# KiCad board default.kicad_pcb (continued)
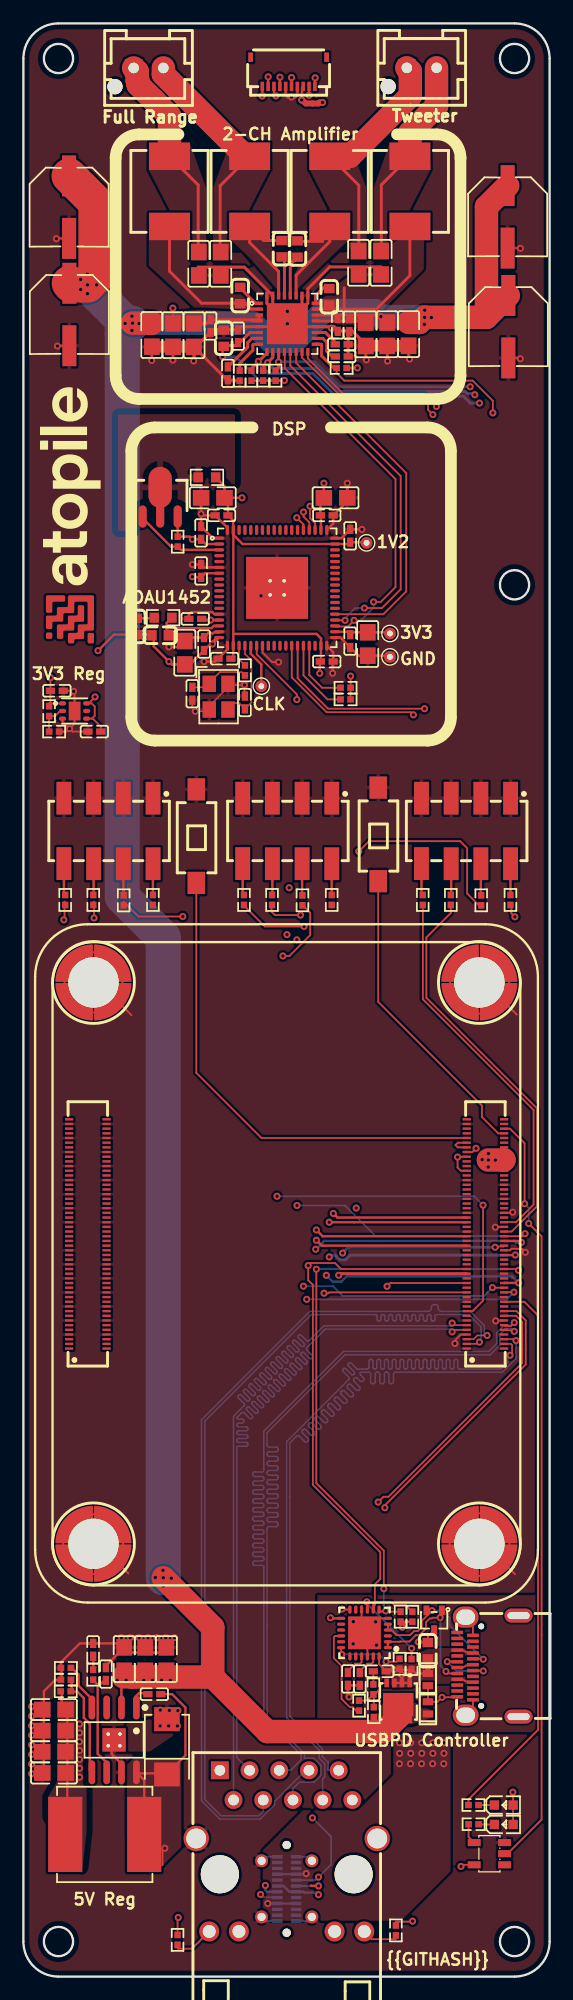
[diagram p0: board, top side]
## Library data of the parts (continued)
C56 = -: checksum: 405320b210acc44eecbe0907b938a7ea08c49965394bd1ff70c3b519dbf7bece; __atopile_lib_fp_hash__: 5b802f15-8cd8-bf93-67c9-96cf040103c7; LCSC: C3349; Manufacturer: Honor Elec; Partnumber: RVT1H470M0607; atopile_address: bulk_cap_20v[0]
C57 = -: checksum: 405320b210acc44eecbe0907b938a7ea08c49965394bd1ff70c3b519dbf7bece; __atopile_lib_fp_hash__: 5b802f15-8cd8-bf93-67c9-96cf040103c7; LCSC: C3349; Manufacturer: Honor Elec; Partnumber: RVT1H470M0607; atopile_address: bulk_cap_20v[1]
C58 = -: checksum: 405320b210acc44eecbe0907b938a7ea08c49965394bd1ff70c3b519dbf7bece; __atopile_lib_fp_hash__: 5b802f15-8cd8-bf93-67c9-96cf040103c7; LCSC: C3349; Manufacturer: Honor Elec; Partnumber: RVT1H470M0607; atopile_address: bulk_cap_20v[2]
C59 = -: checksum: 405320b210acc44eecbe0907b938a7ea08c49965394bd1ff70c3b519dbf7bece; __atopile_lib_fp_hash__: 5b802f15-8cd8-bf93-67c9-96cf040103c7; LCSC: C3349; Manufacturer: Honor Elec; Partnumber: RVT1H470M0607; atopile_address: bulk_cap_20v[3]
C60 = -: Datasheet: https://www.lcsc.com/datasheet/lcsc_datasheet_2304140030_Samsung-Electro-Mechanics-CL21A226MAQNNNE_C45783.pdf; checksum: 629b443b8aecb9eb6eb362e24225cdd990e7ae9af3ca6b7afb0534e9e7994b51; __atopile_lib_fp_hash__: a6bd0abb-88f7-ea26-6926-1d49688ec33a; LCSC: C45783; Manufacturer: Samsung Electro-Mechanics; Partnumber: CL21A226MAQNNNE; PARAM_capacitance: {"type": "Quantity_Interval_Disjoint", "data": {"intervals": {"type": "Numeric_Interval_Disjoint", "data": {"intervals": [{"type": "Numeric_Interval", "data": {"min": 1.7599999934e-05, "max": 2.6400000066e-05}}]}}, "unit": "farad"}}; PARAM_max_voltage: {"type": "Quantity_Set_Discrete", "data": {"intervals": {"type": "Numeric_Interval_Disjoint", "data": {"intervals": [{"type": "Numeric_Interval", "data": {"min": 25.0, "max": 25.0}}]}}, "unit": "volt"}}; PARAM_temperature_coefficient: {"type": "EnumSet", "data": {"elements": [{"name": "X5R"}], "enum": {"name": "TemperatureCoefficient", "values": {"Y5V": 1, "Z5U": 2, "X7S": 3, "X5R": 4, "X6R": 5, "X7R": 6, "X8R": 7, "C0G": 8}}}}; atopile_address: regulator_5v.output_caps[3]; atopile_subaddresses: [.ato/modules/atopile/ti-tps54560x/layouts/default/default.kicad_pcb:output_caps[3]]
CN1 = -: Datasheet: https://www.lcsc.com/datasheet/lcsc_datasheet_2304140030_HRS-Hirose-DF40C-100DS-0-4V-51_C597931.pdf; checksum: 546d122dbaacb640aa65ee8cd61dec0244b0f5e38b5b7f89cc2b9ac39cfe5a79; __atopile_lib_fp_hash__: 65551269-13f4-4862-5c40-0a3581158958; LCSC: C597931; Manufacturer: HRS(Hirose); Partnumber: DF40C-100DS-0.4V(51); atopile_address: cm5.cm5.hdi_a; atopile_subaddresses: [.ato/modules/atopile/rpi-cm5/layouts/cm5/cm5.kicad_pcb:cm5.hdi_a]
CN2 = -: Datasheet: https://www.lcsc.com/datasheet/lcsc_datasheet_2304140030_HRS-Hirose-DF40C-100DS-0-4V-51_C597931.pdf; checksum: 546d122dbaacb640aa65ee8cd61dec0244b0f5e38b5b7f89cc2b9ac39cfe5a79; __atopile_lib_fp_hash__: 65551269-13f4-4862-5c40-0a3581158958; LCSC: C597931; Manufacturer: HRS(Hirose); Partnumber: DF40C-100DS-0.4V(51); atopile_address: cm5.cm5.hdi_b; atopile_subaddresses: [.ato/modules/atopile/rpi-cm5/layouts/cm5/cm5.kicad_pcb:cm5.hdi_b]
D1 = -: Datasheet: https://atta.szlcsc.com/upload/public/pdf/source/20160507/1462613613586.pdf; checksum: 3bbb46f261282bee5047beb84a1d959dde5f48e425813be4d22f1780de72dd41; __atopile_lib_fp_hash__: d48ac678-ff95-f3fe-faa9-50e51a8aea1e; LCSC: C72038; Manufacturer: Everlight Elec; Partnumber: 19-213/Y2C-CQ2R2L/3T(CY); atopile_address: cm5.cm5.activity_led; atopile_subaddresses: [.ato/modules/atopile/rpi-cm5/layouts/cm5/cm5.kicad_pcb:cm5.activity_led]
D2 = -: Datasheet: https://www.lcsc.com/datasheet/lcsc_datasheet_1806151818_Hubei-KENTO-Elec-KT-0603G_C12624.pdf; checksum: 0877f0cf90d7c0c26542c2fc8527127a9faee933f8c8d862c7008b77725b037b; __atopile_lib_fp_hash__: 1b2edec3-d4c6-17ff-ccb9-830be292b7ac; LCSC: C12624; Manufacturer: Hubei KENTO Elec; Partnumber: KT-0603G; atopile_address: cm5.cm5.power_led; atopile_subaddresses: [.ato/modules/atopile/rpi-cm5/layouts/cm5/cm5.kicad_pcb:cm5.power_led]
D3 = -: Datasheet: https://lcsc.com/datasheet/lcsc_datasheet_2410010132_ST-STPS340U_C50706.pdf; checksum: d03cbd1595c7d484bc32deef5ce5b2e19a61926d84c387db5a5e930637120645; __atopile_lib_fp_hash__: 2b320f6a-f980-e05b-ebb3-55552f015f77; LCSC: C50706; Manufacturer: STMicroelectronics; Partnumber: STPS340U; atopile_address: regulator_5v.diode.package; atopile_subaddresses: [.ato/modules/atopile/ti-tps54560x/layouts/default/default.kicad_pcb:diode.package]
D4 = -: Datasheet: https://wmsc.lcsc.com/wmsc/upload/file/pdf/v2/lcsc/2201201600_STMicroelectronics-ESDA25W_C2935152.pdf; checksum: 254ad3d1df6762bd49be411e772ec466f5d62cd8a8f19fc2208eef72c26cbb1f; __atopile_lib_fp_hash__: 14375084-6f4e-97d6-be3a-eb2b579079f1; LCSC: C2935152; Manufacturer: STMicroelectronics; Partnumber: ESDA25W; atopile_address: pd_controller.pd_controller.esd_cc; atopile_subaddresses: [.ato/modules/atopile/st-stusb4500/layouts/default/default.kicad_pcb:pd_controller.esd_cc]
D5 = -: Datasheet: https://wmsc.lcsc.com/wmsc/upload/file/pdf/v2/lcsc/2201300300_STMicroelectronics-ESDA25P35-1U1M_C1974707.pdf; checksum: ed5f1858835d2b9ee9e4af8f3ae4eceaefc9e53358dde6e2059d7e3ba721066b; __atopile_lib_fp_hash__: 4711a11c-1a97-4028-8c81-3869ce1b264a; LCSC: C1974707; Manufacturer: STMicroelectronics; Partnumber: ESDA25P35-1U1M; atopile_address: pd_controller.pd_controller.vbus_esd_diode; atopile_subaddresses: [.ato/modules/atopile/st-stusb4500/layouts/default/default.kicad_pcb:pd_controller.vbus_esd_diode]
D6 = -: Datasheet: https://wmsc.lcsc.com/wmsc/upload/file/pdf/v2/lcsc/2201300300_STMicroelectronics-ESDA25P35-1U1M_C1974707.pdf; checksum: ed5f1858835d2b9ee9e4af8f3ae4eceaefc9e53358dde6e2059d7e3ba721066b; __atopile_lib_fp_hash__: 4711a11c-1a97-4028-8c81-3869ce1b264a; LCSC: C1974707; Manufacturer: STMicroelectronics; Partnumber: ESDA25P35-1U1M; atopile_address: pd_controller.pd_controller.vsink_esd_diode; atopile_subaddresses: [.ato/modules/atopile/st-stusb4500/layouts/default/default.kicad_pcb:pd_controller.vsink_esd_diode]
FPC1 = -: checksum: 56c00918904d1d9893b841003100e250646d5dd157513a4b86bbbcc75f14de41; __atopile_lib_fp_hash__: 468c7ec7-1f75-22c0-d58a-7649cb9c4bad; LCSC: C3167956; Manufacturer: TE Connectivity; Partnumber: 1-2328702-0; atopile_address: board_to_board_connector
HDR1 = -: checksum: 30bc15d1b5eca060ef985b13fbd716caf846801c83a6d07ea6b0b5a15eff72aa; __atopile_lib_fp_hash__: 7b7f8429-a9b6-81db-75b1-ba8092111482; LCSC: C3294462; Manufacturer: HCTL; Partnumber: PZ254-2-04-S; atopile_address: debug_headers[0].package; atopile_subaddresses: [.ato/modules/atopile/saleae-header/layouts/vertical/vertical.kicad_pcb:package]
HDR2 = -: checksum: 30bc15d1b5eca060ef985b13fbd716caf846801c83a6d07ea6b0b5a15eff72aa; __atopile_lib_fp_hash__: 7b7f8429-a9b6-81db-75b1-ba8092111482; LCSC: C3294462; Manufacturer: HCTL; Partnumber: PZ254-2-04-S; atopile_address: debug_headers[1].package; atopile_subaddresses: [.ato/modules/atopile/saleae-header/layouts/vertical/vertical.kicad_pcb:package]
HDR3 = -: checksum: 30bc15d1b5eca060ef985b13fbd716caf846801c83a6d07ea6b0b5a15eff72aa; __atopile_lib_fp_hash__: 7b7f8429-a9b6-81db-75b1-ba8092111482; LCSC: C3294462; Manufacturer: HCTL; Partnumber: PZ254-2-04-S; atopile_address: debug_headers[2].package; atopile_subaddresses: [.ato/modules/atopile/saleae-header/layouts/vertical/vertical.kicad_pcb:package]
L1 = -: Datasheet: https://www.lcsc.com/datasheet/lcsc_datasheet_2404260921_cjiang--Changjiang-Microelectronics-Tech-FXL0630-100-M_C167223.pdf; checksum: f9c1bf73cd51916799ed13c9fbedb81e22623e1af5ebfe7a93f775e0d5d1a971; __atopile_lib_fp_hash__: c028afde-8790-756e-4daa-baca94eeb58b; LCSC: C167223; Manufacturer: cjiang(Changjiang Microelectronics Tech); Partnumber: FXL0630-100-M; atopile_address: amplifier.output_stage_a.inductor_neg; PARAM_dc_resistance: {"type": "Quantity_Set_Discrete", "data": {"intervals": {"type": "Numeric_Interval_Disjoint", "data": {"intervals": [{"type": "Numeric_Interval", "data": {"min": 0.068, "max": 0.068}}]}}, "unit": "ohm"}}; PARAM_inductance: {"type": "Quantity_Interval_Disjoint", "data": {"intervals": {"type": "Numeric_Interval_Disjoint", "data": {"intervals": [{"type": "Numeric_Interval", "data": {"min": 7.99999997e-06, "max": 1.200000003e-05}}]}}, "unit": "henry"}}; PARAM_max_current: {"type": "Quantity_Set_Discrete", "data": {"intervals": {"type": "Numeric_Interval_Disjoint", "data": {"intervals": [{"type": "Numeric_Interval", "data": {"min": 4.5, "max": 4.5}}]}}, "unit": "ampere"}}; PARAM_saturation_current: {"type": "Quantity_Set_Discrete", "data": {"intervals": {"type": "Numeric_Interval_Disjoint", "data": {"intervals": [{"type": "Numeric_Interval", "data": {"min": 5.5, "max": 5.5}}]}}, "unit": "ampere"}}; PARAM_self_resonant_frequency: {"type": "Quantity_Interval_Disjoint", "data": {"intervals": {"type": "Numeric_Interval_Disjoint", "data": {"intervals": [{"type": "Numeric_Interval", "data": {"min": 0.0, "max": null}}]}}, "unit": "hertz"}}; atopile_subaddresses: [.ato/modules/atopile/ti-tas5825mrhbr/layouts/default/default.kicad_pcb:output_stage_a.inductor_neg]
L2 = -: Datasheet: https://www.lcsc.com/datasheet/lcsc_datasheet_2404260921_cjiang--Changjiang-Microelectronics-Tech-FXL0630-100-M_C167223.pdf; checksum: f9c1bf73cd51916799ed13c9fbedb81e22623e1af5ebfe7a93f775e0d5d1a971; __atopile_lib_fp_hash__: c028afde-8790-756e-4daa-baca94eeb58b; LCSC: C167223; Manufacturer: cjiang(Changjiang Microelectronics Tech); Partnumber: FXL0630-100-M; atopile_address: amplifier.output_stage_a.inductor_pos; PARAM_dc_resistance: {"type": "Quantity_Set_Discrete", "data": {"intervals": {"type": "Numeric_Interval_Disjoint", "data": {"intervals": [{"type": "Numeric_Interval", "data": {"min": 0.068, "max": 0.068}}]}}, "unit": "ohm"}}; PARAM_inductance: {"type": "Quantity_Interval_Disjoint", "data": {"intervals": {"type": "Numeric_Interval_Disjoint", "data": {"intervals": [{"type": "Numeric_Interval", "data": {"min": 7.99999997e-06, "max": 1.200000003e-05}}]}}, "unit": "henry"}}; PARAM_max_current: {"type": "Quantity_Set_Discrete", "data": {"intervals": {"type": "Numeric_Interval_Disjoint", "data": {"intervals": [{"type": "Numeric_Interval", "data": {"min": 4.5, "max": 4.5}}]}}, "unit": "ampere"}}; PARAM_saturation_current: {"type": "Quantity_Set_Discrete", "data": {"intervals": {"type": "Numeric_Interval_Disjoint", "data": {"intervals": [{"type": "Numeric_Interval", "data": {"min": 5.5, "max": 5.5}}]}}, "unit": "ampere"}}; PARAM_self_resonant_frequency: {"type": "Quantity_Interval_Disjoint", "data": {"intervals": {"type": "Numeric_Interval_Disjoint", "data": {"intervals": [{"type": "Numeric_Interval", "data": {"min": 0.0, "max": null}}]}}, "unit": "hertz"}}; atopile_subaddresses: [.ato/modules/atopile/ti-tas5825mrhbr/layouts/default/default.kicad_pcb:output_stage_a.inductor_pos]
L3 = -: Datasheet: https://www.lcsc.com/datasheet/lcsc_datasheet_2404260921_cjiang--Changjiang-Microelectronics-Tech-FXL0630-100-M_C167223.pdf; checksum: f9c1bf73cd51916799ed13c9fbedb81e22623e1af5ebfe7a93f775e0d5d1a971; __atopile_lib_fp_hash__: c028afde-8790-756e-4daa-baca94eeb58b; LCSC: C167223; Manufacturer: cjiang(Changjiang Microelectronics Tech); Partnumber: FXL0630-100-M; atopile_address: amplifier.output_stage_b.inductor_neg; PARAM_dc_resistance: {"type": "Quantity_Set_Discrete", "data": {"intervals": {"type": "Numeric_Interval_Disjoint", "data": {"intervals": [{"type": "Numeric_Interval", "data": {"min": 0.068, "max": 0.068}}]}}, "unit": "ohm"}}; PARAM_inductance: {"type": "Quantity_Interval_Disjoint", "data": {"intervals": {"type": "Numeric_Interval_Disjoint", "data": {"intervals": [{"type": "Numeric_Interval", "data": {"min": 7.99999997e-06, "max": 1.200000003e-05}}]}}, "unit": "henry"}}; PARAM_max_current: {"type": "Quantity_Set_Discrete", "data": {"intervals": {"type": "Numeric_Interval_Disjoint", "data": {"intervals": [{"type": "Numeric_Interval", "data": {"min": 4.5, "max": 4.5}}]}}, "unit": "ampere"}}; PARAM_saturation_current: {"type": "Quantity_Set_Discrete", "data": {"intervals": {"type": "Numeric_Interval_Disjoint", "data": {"intervals": [{"type": "Numeric_Interval", "data": {"min": 5.5, "max": 5.5}}]}}, "unit": "ampere"}}; PARAM_self_resonant_frequency: {"type": "Quantity_Interval_Disjoint", "data": {"intervals": {"type": "Numeric_Interval_Disjoint", "data": {"intervals": [{"type": "Numeric_Interval", "data": {"min": 0.0, "max": null}}]}}, "unit": "hertz"}}; atopile_subaddresses: [.ato/modules/atopile/ti-tas5825mrhbr/layouts/default/default.kicad_pcb:output_stage_b.inductor_neg]
L4 = -: Datasheet: https://www.lcsc.com/datasheet/lcsc_datasheet_2404260921_cjiang--Changjiang-Microelectronics-Tech-FXL0630-100-M_C167223.pdf; checksum: f9c1bf73cd51916799ed13c9fbedb81e22623e1af5ebfe7a93f775e0d5d1a971; __atopile_lib_fp_hash__: c028afde-8790-756e-4daa-baca94eeb58b; LCSC: C167223; Manufacturer: cjiang(Changjiang Microelectronics Tech); Partnumber: FXL0630-100-M; atopile_address: amplifier.output_stage_b.inductor_pos; PARAM_dc_resistance: {"type": "Quantity_Set_Discrete", "data": {"intervals": {"type": "Numeric_Interval_Disjoint", "data": {"intervals": [{"type": "Numeric_Interval", "data": {"min": 0.068, "max": 0.068}}]}}, "unit": "ohm"}}; PARAM_inductance: {"type": "Quantity_Interval_Disjoint", "data": {"intervals": {"type": "Numeric_Interval_Disjoint", "data": {"intervals": [{"type": "Numeric_Interval", "data": {"min": 7.99999997e-06, "max": 1.200000003e-05}}]}}, "unit": "henry"}}; PARAM_max_current: {"type": "Quantity_Set_Discrete", "data": {"intervals": {"type": "Numeric_Interval_Disjoint", "data": {"intervals": [{"type": "Numeric_Interval", "data": {"min": 4.5, "max": 4.5}}]}}, "unit": "ampere"}}; PARAM_saturation_current: {"type": "Quantity_Set_Discrete", "data": {"intervals": {"type": "Numeric_Interval_Disjoint", "data": {"intervals": [{"type": "Numeric_Interval", "data": {"min": 5.5, "max": 5.5}}]}}, "unit": "ampere"}}; PARAM_self_resonant_frequency: {"type": "Quantity_Interval_Disjoint", "data": {"intervals": {"type": "Numeric_Interval_Disjoint", "data": {"intervals": [{"type": "Numeric_Interval", "data": {"min": 0.0, "max": null}}]}}, "unit": "hertz"}}; atopile_subaddresses: [.ato/modules/atopile/ti-tas5825mrhbr/layouts/default/default.kicad_pcb:output_stage_b.inductor_pos]
L5 = -: Datasheet: https://wmsc.lcsc.com/wmsc/upload/file/pdf/v2/lcsc/2310251551_Sunlord-SWPA8040S5R6NT_C96972.pdf; checksum: 27b54a483a79f289094ec0cdbfc922b396378321ffbe24f02e68223f140baa33; __atopile_lib_fp_hash__: f2922c7b-d87b-3407-b76f-1f074032ffec; LCSC: C96972; Manufacturer: Sunlord; Partnumber: SWPA8040S5R6NT; atopile_address: regulator_5v.inductor; PARAM_dc_resistance: {"type": "Quantity_Set_Discrete", "data": {"intervals": {"type": "Numeric_Interval_Disjoint", "data": {"intervals": [{"type": "Numeric_Interval", "data": {"min": 0.027, "max": 0.027}}]}}, "unit": "ohm"}}; PARAM_inductance: {"type": "Quantity_Interval_Disjoint", "data": {"intervals": {"type": "Numeric_Interval_Disjoint", "data": {"intervals": [{"type": "Numeric_Interval", "data": {"min": 3.919999933e-06, "max": 7.280000067e-06}}]}}, "unit": "henry"}}; PARAM_max_current: {"type": "Quantity_Set_Discrete", "data": {"intervals": {"type": "Numeric_Interval_Disjoint", "data": {"intervals": [{"type": "Numeric_Interval", "data": {"min": 3.85, "max": 3.85}}]}}, "unit": "ampere"}}; PARAM_saturation_current: {"type": "Quantity_Set_Discrete", "data": {"intervals": {"type": "Numeric_Interval_Disjoint", "data": {"intervals": [{"type": "Numeric_Interval", "data": {"min": 6.0, "max": 6.0}}]}}, "unit": "ampere"}}; PARAM_self_resonant_frequency: {"type": "Quantity_Interval_Disjoint", "data": {"intervals": {"type": "Numeric_Interval_Disjoint", "data": {"intervals": [{"type": "Numeric_Interval", "data": {"min": 0.0, "max": null}}]}}, "unit": "hertz"}}; atopile_subaddresses: [.ato/modules/atopile/ti-tps54560x/layouts/default/default.kicad_pcb:inductor]
Q1 = -: Datasheet: https://wmsc.lcsc.com/wmsc/upload/file/pdf/v2/lcsc/1912230932_ALLPOWER-ShenZhen-Quan-Li-Semiconductor-AP30P30Q_C471913.pdf; checksum: 2a1e6ab4b80c58fcee0c992ff10f6ae1b389a89c87ca03d92d401b1980a4139c; __atopile_lib_fp_hash__: ccc1f0a4-2838-0ca7-1eb4-d03d59c4714e; LCSC: C471913; Manufacturer: ALLPOWER(ShenZhen Quan Li Semiconductor); Partnumber: AP30P30Q; atopile_address: pd_controller.pd_controller.vsink_mosfet; atopile_subaddresses: [.ato/modules/atopile/st-stusb4500/layouts/default/default.kicad_pcb:pd_controller.vsink_mosfet]
Q2 = -: Datasheet: https://www.lcsc.com/datasheet/lcsc_datasheet_2407241029_Nexperia-PBSS5350X-115_C426844.pdf; checksum: 8f11bd12e9ef68cd2181a842026a5095b8d320848c1dc06ca067115bf71bbc60; __atopile_lib_fp_hash__: b937f68e-73cc-1480-6aec-527c52eae688; LCSC: C426844; Manufacturer: Nexperia; Partnumber: PBSS5350X,115; atopile_address: dsp.bjt_pnp; atopile_subaddresses: [.ato/modules/atopile/adi-adau145x/layouts/default/default.kicad_pcb:bjt_pnp]
R1 = -: Datasheet: https://www.lcsc.com/datasheet/lcsc_datasheet_2206010045_UNI-ROYAL-Uniroyal-Elec-0402WGF4701TCE_C25900.pdf; checksum: 48551fcb56012c8f7a833359e4e533bc92cb2ec9a6dd4a362b59792629218ec9; __atopile_lib_fp_hash__: 8c266651-53cc-3296-73ef-255a204bb55e; LCSC: C25900; Manufacturer: UNI-ROYAL(Uniroyal Elec); Partnumber: 0402WGF4701TCE; PARAM_max_power: {"type": "Quantity_Set_Discrete", "data": {"intervals": {"type": "Numeric_Interval_Disjoint", "data": {"intervals": [{"type": "Numeric_Interval", "data": {"min": 0.0625, "max": 0.0625}}]}}, "unit": "watt"}}; PARAM_max_voltage: {"type": "Quantity_Set_Discrete", "data": {"intervals": {"type": "Numeric_Interval_Disjoint", "data": {"intervals": [{"type": "Numeric_Interval", "data": {"min": 50.0, "max": 50.0}}]}}, "unit": "volt"}}; PARAM_resistance: {"type": "Quantity_Interval_Disjoint", "data": {"intervals": {"type": "Numeric_Interval_Disjoint", "data": {"intervals": [{"type": "Numeric_Interval", "data": {"min": 4653.000001050532, "max": 4746.999998949468}}]}}, "unit": "ohm"}}; atopile_address: amplifier.addr_resistor; atopile_subaddresses: [.ato/modules/atopile/ti-tas5825mrhbr/layouts/default/default.kicad_pcb:addr_resistor]
R2 = -: Datasheet: https://www.lcsc.com/datasheet/lcsc_datasheet_2411221126_UNI-ROYAL-Uniroyal-Elec-0402WGF1002TCE_C25744.pdf; checksum: 6794d27730a4ff2200dab6be287e37b344d99a421712ea6a3ee1068f57fa7c12; __atopile_lib_fp_hash__: f67d9541-b893-78ac-aa2d-47e1c8a7e46a; LCSC: C25744; Manufacturer: UNI-ROYAL(Uniroyal Elec); Partnumber: 0402WGF1002TCE; PARAM_max_power: {"type": "Quantity_Set_Discrete", "data": {"intervals": {"type": "Numeric_Interval_Disjoint", "data": {"intervals": [{"type": "Numeric_Interval", "data": {"min": 0.0625, "max": 0.0625}}]}}, "unit": "watt"}}; PARAM_max_voltage: {"type": "Quantity_Set_Discrete", "data": {"intervals": {"type": "Numeric_Interval_Disjoint", "data": {"intervals": [{"type": "Numeric_Interval", "data": {"min": 50.0, "max": 50.0}}]}}, "unit": "volt"}}; PARAM_resistance: {"type": "Quantity_Interval_Disjoint", "data": {"intervals": {"type": "Numeric_Interval_Disjoint", "data": {"intervals": [{"type": "Numeric_Interval", "data": {"min": 9900.000002235174, "max": 10099.999997764826}}]}}, "unit": "ohm"}}; atopile_address: amplifier.pull_up_fault; atopile_subaddresses: [.ato/modules/atopile/ti-tas5825mrhbr/layouts/default/default.kicad_pcb:pull_up_fault]
R3 = -: Datasheet: https://www.lcsc.com/datasheet/lcsc_datasheet_2411221126_UNI-ROYAL-Uniroyal-Elec-0402WGF1002TCE_C25744.pdf; checksum: 6794d27730a4ff2200dab6be287e37b344d99a421712ea6a3ee1068f57fa7c12; __atopile_lib_fp_hash__: f67d9541-b893-78ac-aa2d-47e1c8a7e46a; LCSC: C25744; Manufacturer: UNI-ROYAL(Uniroyal Elec); Partnumber: 0402WGF1002TCE; PARAM_max_power: {"type": "Quantity_Set_Discrete", "data": {"intervals": {"type": "Numeric_Interval_Disjoint", "data": {"intervals": [{"type": "Numeric_Interval", "data": {"min": 0.0625, "max": 0.0625}}]}}, "unit": "watt"}}; PARAM_max_voltage: {"type": "Quantity_Set_Discrete", "data": {"intervals": {"type": "Numeric_Interval_Disjoint", "data": {"intervals": [{"type": "Numeric_Interval", "data": {"min": 50.0, "max": 50.0}}]}}, "unit": "volt"}}; PARAM_resistance: {"type": "Quantity_Interval_Disjoint", "data": {"intervals": {"type": "Numeric_Interval_Disjoint", "data": {"intervals": [{"type": "Numeric_Interval", "data": {"min": 9900.000002235174, "max": 10099.999997764826}}]}}, "unit": "ohm"}}; atopile_address: amplifier.pull_up_mute; atopile_subaddresses: [.ato/modules/atopile/ti-tas5825mrhbr/layouts/default/default.kicad_pcb:pull_up_mute]
R4 = -: Datasheet: https://www.lcsc.com/datasheet/lcsc_datasheet_2411221126_UNI-ROYAL-Uniroyal-Elec-0402WGF1002TCE_C25744.pdf; checksum: 6794d27730a4ff2200dab6be287e37b344d99a421712ea6a3ee1068f57fa7c12; __atopile_lib_fp_hash__: f67d9541-b893-78ac-aa2d-47e1c8a7e46a; LCSC: C25744; Manufacturer: UNI-ROYAL(Uniroyal Elec); Partnumber: 0402WGF1002TCE; PARAM_max_power: {"type": "Quantity_Set_Discrete", "data": {"intervals": {"type": "Numeric_Interval_Disjoint", "data": {"intervals": [{"type": "Numeric_Interval", "data": {"min": 0.0625, "max": 0.0625}}]}}, "unit": "watt"}}; PARAM_max_voltage: {"type": "Quantity_Set_Discrete", "data": {"intervals": {"type": "Numeric_Interval_Disjoint", "data": {"intervals": [{"type": "Numeric_Interval", "data": {"min": 50.0, "max": 50.0}}]}}, "unit": "volt"}}; PARAM_resistance: {"type": "Quantity_Interval_Disjoint", "data": {"intervals": {"type": "Numeric_Interval_Disjoint", "data": {"intervals": [{"type": "Numeric_Interval", "data": {"min": 9900.000002235174, "max": 10099.999997764826}}]}}, "unit": "ohm"}}; atopile_address: amplifier.pull_up_pdn; atopile_subaddresses: [.ato/modules/atopile/ti-tas5825mrhbr/layouts/default/default.kicad_pcb:pull_up_pdn]
R5 = -: Datasheet: https://www.lcsc.com/datasheet/lcsc_datasheet_2411221126_UNI-ROYAL-Uniroyal-Elec-0402WGF1002TCE_C25744.pdf; checksum: 6794d27730a4ff2200dab6be287e37b344d99a421712ea6a3ee1068f57fa7c12; __atopile_lib_fp_hash__: f67d9541-b893-78ac-aa2d-47e1c8a7e46a; LCSC: C25744; Manufacturer: UNI-ROYAL(Uniroyal Elec); Partnumber: 0402WGF1002TCE; PARAM_max_power: {"type": "Quantity_Set_Discrete", "data": {"intervals": {"type": "Numeric_Interval_Disjoint", "data": {"intervals": [{"type": "Numeric_Interval", "data": {"min": 0.0625, "max": 0.0625}}]}}, "unit": "watt"}}; PARAM_max_voltage: {"type": "Quantity_Set_Discrete", "data": {"intervals": {"type": "Numeric_Interval_Disjoint", "data": {"intervals": [{"type": "Numeric_Interval", "data": {"min": 50.0, "max": 50.0}}]}}, "unit": "volt"}}; PARAM_resistance: {"type": "Quantity_Interval_Disjoint", "data": {"intervals": {"type": "Numeric_Interval_Disjoint", "data": {"intervals": [{"type": "Numeric_Interval", "data": {"min": 9900.000002235174, "max": 10099.999997764826}}]}}, "unit": "ohm"}}; atopile_address: amplifier.pull_up_warn; atopile_subaddresses: [.ato/modules/atopile/ti-tas5825mrhbr/layouts/default/default.kicad_pcb:pull_up_warn]
R6 = -: Datasheet: https://www.lcsc.com/datasheet/lcsc_datasheet_2206010230_UNI-ROYAL-Uniroyal-Elec-0402WGF2001TCE_C4109.pdf; checksum: 1bbc371acbcf37bf5829a57a7679c5f2fed630b025fcf7ebb7b9b9e8ab555ad5; __atopile_lib_fp_hash__: a3bdefbc-58fc-f1c0-3998-719e5661d0a2; LCSC: C4109; Manufacturer: UNI-ROYAL(Uniroyal Elec); Partnumber: 0402WGF2001TCE; PARAM_max_power: {"type": "Quantity_Set_Discrete", "data": {"intervals": {"type": "Numeric_Interval_Disjoint", "data": {"intervals": [{"type": "Numeric_Interval", "data": {"min": 0.0625, "max": 0.0625}}]}}, "unit": "watt"}}; PARAM_max_voltage: {"type": "Quantity_Set_Discrete", "data": {"intervals": {"type": "Numeric_Interval_Disjoint", "data": {"intervals": [{"type": "Numeric_Interval", "data": {"min": 50.0, "max": 50.0}}]}}, "unit": "volt"}}; PARAM_resistance: {"type": "Quantity_Interval_Disjoint", "data": {"intervals": {"type": "Numeric_Interval_Disjoint", "data": {"intervals": [{"type": "Numeric_Interval", "data": {"min": 1980.0000004470348, "max": 2019.9999995529652}}]}}, "unit": "ohm"}}; atopile_address: cm5.cm5.activity_led_resistor; atopile_subaddresses: [.ato/modules/atopile/rpi-cm5/layouts/cm5/cm5.kicad_pcb:cm5.activity_led_resistor]
